# Altium PCB Copy of PCB1.PcbDoc (part 2 of 5)
Units mm, origin at the board's own origin, x right, y up, seen from the top; angles counter-clockwise.
Board outline 150 x 50 mm, 6 copper layers (Top Layer, Layer 1, Top Middle Layer, Bottom Middle Layer, Layer 2, Bottom Layer), stack 0.885 mm thick; 361 components, 293 nets, 1358 pads, 565 vias.
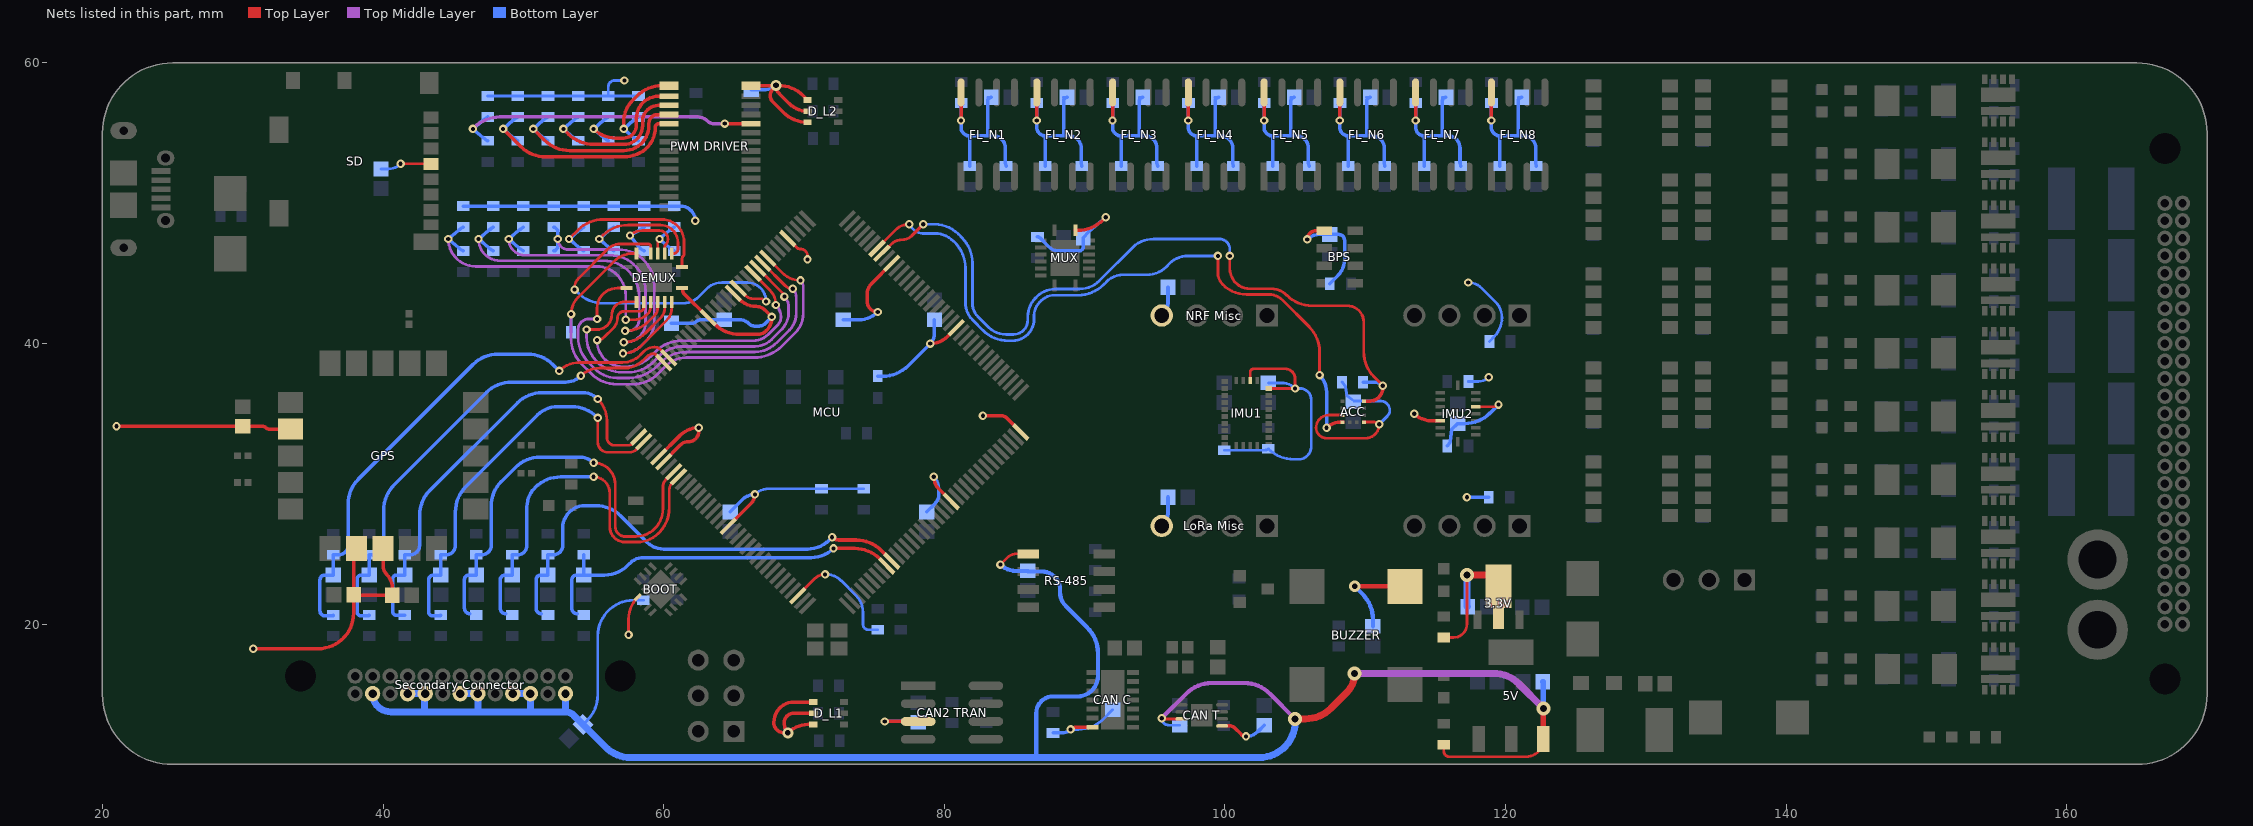
[diagram p6: the nets of this part, all layers, seen from the top]

## Footprints (in the part's own frame and the unit in brackets; to place one, negate y for a bottom-side part, rotate by r counter-clockwise, add the part's x,y. Pads: shape width x height; smd on the part's side, far side on the other; paste and mask are expansions set on the pad) (continued)
"LQFP144 0.5mm Pitch" [mm]
  rect 1.5x0.3 smd: 1(0,0) 2(0,-0.5) 3(0,-1) 4(0,-1.5) 5(0,-2) 6(0,-2.5) 7(0,-3) 8(0,-3.5) 9(0,-4) 10(0,-4.5) 11(0,-5) 12(0,-5.5) 13(0,-6) 14(0,-6.5) 15(0,-7) 16(0,-7.5) 17(0,-8) 18(0,-8.5) 19(0,-9) 20(0,-9.5) 21(0,-10) 22(0,-10.5) 23(0,-11) 24(0,-11.5) 25(0,-12) 26(0,-12.5) 27(0,-13) 28(0,-13.5) 29(0,-14) 30(0,-14.5) 31(0,-15) 32(0,-15.5) 33(0,-16) 34(0,-16.5) 35(0,-17) 36(0,-17.5) 73(21.5,-17.5) 74(21.5,-17) 75(21.5,-16.5) 76(21.5,-16) 77(21.5,-15.5) 78(21.5,-15) 79(21.5,-14.5) 80(21.5,-14) 81(21.5,-13.5) 82(21.5,-13) 83(21.5,-12.5) 84(21.5,-12) 85(21.5,-11.5) 86(21.5,-11) 87(21.5,-10.5) 88(21.5,-10) 89(21.5,-9.5) 90(21.5,-9) 91(21.5,-8.5) 92(21.5,-8) 93(21.5,-7.5) 94(21.5,-7) 95(21.5,-6.5) 96(21.5,-6) 97(21.5,-5.5) 98(21.5,-5) 99(21.5,-4.5) 100(21.5,-4) 101(21.5,-3.5) 102(21.5,-3) 103(21.5,-2.5) 104(21.5,-2) 105(21.5,-1.5) 106(21.5,-1) 107(21.5,-0.5) 108(21.5,0)
  rect 0.3x1.5 smd: 37(2,-19.5) 38(2.5,-19.5) 39(3,-19.5) 40(3.5,-19.5) 41(4,-19.5) 42(4.5,-19.5) 43(5,-19.5) 44(5.5,-19.5) 45(6,-19.5) 46(6.5,-19.5) 47(7,-19.5) 48(7.5,-19.5) 49(8,-19.5) 50(8.5,-19.5) 51(9,-19.5) 52(9.5,-19.5) 53(10,-19.5) 54(10.5,-19.5) 55(11,-19.5) 56(11.5,-19.5) 57(12,-19.5) 58(12.5,-19.5) 59(13,-19.5) 60(13.5,-19.5) 61(14,-19.5) 62(14.5,-19.5) 63(15,-19.5) 64(15.5,-19.5) 65(16,-19.5) 66(16.5,-19.5) 67(17,-19.5) 68(17.5,-19.5) 69(18,-19.5) 70(18.5,-19.5) 71(19,-19.5) 72(19.5,-19.5) 109(19.5,2) 110(19,2) 111(18.5,2) 112(18,2) 113(17.5,2) 114(17,2) 115(16.5,2) 116(16,2) 117(15.5,2) 118(15,2) 119(14.5,2) 120(14,2) 121(13.5,2) 122(13,2) 123(12.5,2) 124(12,2) 125(11.5,2) 126(11,2) 127(10.5,2) 128(10,2) 129(9.5,2) 130(9,2) 131(8.5,2) 132(8,2) 133(7.5,2) 134(7,2) 135(6.5,2) 136(6,2) 137(5.5,2) 138(5,2) 139(4.5,2) 140(4,2) 141(3.5,2) 142(3,2) 143(2.5,2) 144(2,2)
  silkscreen extent 1.29,-18.21 20.21,0.72, body extent -0.25,-19.74 21.75,2.26, height 1.59
MOLX-47589-0001_V [mm] "SMD, 5-Leads, Body 7.5x5.6mm, Pitch 0.65mm"
  rect 0.4x1.35 smd: 1(-1.3,1.175) 2(-0.65,1.175) 3(0,1.175) 4(0.65,1.175) 5(1.3,1.175)
  oval 1.05x1.25 hole 0.65 slot 0.85 at 90 deg: 6(-2.225,1.5) 7(2.225,1.5)
  oval 1.2x1.9 hole 0.6 slot 1.3 at 90 deg: 8(-4.175,-1.5) 11(4.175,-1.5)
  rect 1.8x1.9 smd: 9(-1.15,-1.5) 10(1.15,-1.5)
  Top Layer region: -2.6,-0.55 -4.175,-0.55 -4.175,-2.45 -2.6,-2.45
  Top Layer region: 2.6,-2.45 4.175,-2.45 4.175,-0.55 2.6,-0.55
  silkscreen extent -3.75,-4.25 3.75,2.53, body extent -4.32,-4.25 4.32,1.64, height 2.74
MOLX-104031-0811_V [mm] "Micro SD, 8-Leads, Body 11.95x11.4mm, Pitch 1.1mm"
  rect 0.85x1.1 smd: 1(3.113,-5.413) 2(2.012,-5.413) 3(0.913,-5.413) 4(-0.188,-5.413) 5(-1.287,-5.413) 6(-2.388,-5.413) 7(-3.487,-5.413)
  rect 0.75x1.1 smd: 8(-4.538,-5.413)
  rect 1.2x1 smd: 9(5.748,0.737) 10(5.748,4.438)
  rect 1.55x1.35 smd: 11(5.572,-5.287)
  rect 1.17x1.8 smd: 12(-5.748,-5.062)
  rect 1.9x1.35 smd: 13(-3.722,5.413) 14(2.247,5.413)
  silkscreen extent -5.97,-6.64 5.98,5.74, body extent -5.97,-5.66 5.98,5.74, height 1.45
MOSFET_DT-T1-GE3_VIS [mil]
  rect 27x16 smd: 1(-59.5,38.39) 2(-59.5,12.8) 3(-59.5,-12.8) 4(-59.5,-38.39) 5(59.5,-38.39) 6(59.5,-12.8) 7(59.5,12.8) 8(59.5,38.39)
  rect 41x96 smd paste-47.5: 9(15.5,0)
  rect 22x96 smd: 10(-29.78,0)
  silkscreen extent -66,-66 66,66, body extent -60,-60 60,60, height 30
QFN50P300X300X65-17N-D [mm]
  rect 0.65x0.25 smd: 1(-1.55,0.75) 2(-1.55,0.25) 3(-1.55,-0.25) 4(-1.55,-0.75) 9(1.55,-0.75) 10(1.55,-0.25) 11(1.55,0.25) 12(1.55,0.75)
  rect 0.25x0.65 smd: 5(-0.75,-1.55) 6(-0.25,-1.55) 7(0.25,-1.55) 8(0.75,-1.55) 13(0.75,1.55) 14(0.25,1.55) 15(-0.25,1.55) 16(-0.75,1.55)
  rect 2x2 smd: 17(0,0)
  silkscreen extent -1.72,1.18 -1.47,1.43, body extent -1.55,-1.55 1.55,1.55, height 0.65
SMD-0603 [mm] "Chip Inductor, 2-Leads, Body 1.6x0.8mm"
  rect 0.85x0.7 smd: 1(-0.775,0) 2(0.775,0)
  body extent -0.8,-0.4 0.8,0.4, height 0.79
SMD-0805 [mm] "Chip Inductor, 2-Leads, Body 2.0x1.2mm"
  rect 1.15x1 smd: 1(-1.175,0) 2(1.175,0)
  body extent -1,-0.6 1,0.6, height 0.89
SN74CBT3257CRGYR [mm]
  rect 0.85x0.28 smd: 1(-1.975,-0.75) 8(1.975,-0.75) 9(1.975,0.75) 16(-1.975,0.75)
  rect 0.28x0.85 smd: 2(-1.25,-1.725) 3(-0.75,-1.725) 4(-0.25,-1.725) 5(0.25,-1.725) 6(0.75,-1.725) 7(1.25,-1.725) 10(1.25,1.725) 11(0.75,1.725) 12(0.25,1.725) 13(-0.25,1.725) 14(-0.75,1.725) 15(-1.25,1.725)
  rect 2.55x2.05 smd: 17(0,0)
  silkscreen extent -2.9,-1.83 2.08,1.83, body extent -2,-1.75 2,1.75, height 1
SOIC127P600X175-8N [mm]
  rect 1.525x0.65 smd: 1(-2.712,1.905) 2(-2.712,0.635) 3(-2.712,-0.635) 4(-2.712,-1.905) 5(2.712,-1.905) 6(2.712,-0.635) 7(2.712,0.635) 8(2.712,1.905)
  silkscreen extent -3.47,-2.45 1.6,2.58, body extent -3,-2.45 3,2.45, height 1.75
"SOIC-8 - duplicate" [mm]
  rect 2x0.5 smd: 1(0,0)
  oval 2x0.5 smd: 2(0,-1.27) 3(0,-2.54) 4(0,-3.81) 5(6,-3.81) 6(6,-2.54) 7(6,-1.27) 8(6,0)
  silkscreen extent 1.27,-4.44 4.7,0.64, body extent 0.05,-4.36 6.05,0.55, height 1.7
SON65P300X450X90-15N-D [mm]
  rect 0.85x0.35 smd: 1(-1.45,1.95) 2(-1.45,1.3) 3(-1.45,0.65) 4(-1.45,0) 5(-1.45,-0.65) 6(-1.45,-1.3) 7(-1.45,-1.95) 8(1.45,-1.95) 9(1.45,-1.3) 10(1.45,-0.65) 11(1.45,0) 12(1.45,0.65) 13(1.45,1.3) 14(1.45,1.95)
  rect 1.65x4.25 smd: 15(0,0)
  silkscreen extent -2,2.5 -1.75,2.75, body extent -1.55,-2.25 1.55,2.25, height 0.9
SOT230P700X180-4N [mm]
  rect 1.85x0.9 smd: 1(-3.1,2.3) 2(-3.1,0) 3(-3.1,-2.3)
  rect 1.85x3.2 smd: 4(3.1,0)
  silkscreen extent -4.03,-3.25 1.75,3.25, body extent -3.5,-3.25 3.5,3.25, height 1.8
SOT361-1_V [mm] "SOP, 28-Leads, Body 9.7x4.4mm, Pitch 0.65mm, NXP Recommended"
  rect 1.35x0.6 smd: 1(-2.925,4.325) 14(-2.925,-4.325) 15(2.925,-4.325) 28(2.925,4.325)
  rect 1.35x0.4 smd: 2(-2.925,3.575) 3(-2.925,2.925) 4(-2.925,2.275) 5(-2.925,1.625) 6(-2.925,0.975) 7(-2.925,0.325) 8(-2.925,-0.325) 9(-2.925,-0.975) 10(-2.925,-1.625) 11(-2.925,-2.275) 12(-2.925,-2.925) 13(-2.925,-3.575) 16(2.925,-3.575) 17(2.925,-2.925) 18(2.925,-2.275) 19(2.925,-1.625) 20(2.925,-0.975) 21(2.925,-0.325) 22(2.925,0.325) 23(2.925,0.975) 24(2.925,1.625) 25(2.925,2.275) 26(2.925,2.925) 27(2.925,3.575)
  silkscreen extent -3.05,-4.9 1.96,5.3, body extent -2.2,-4.85 2.2,4.85, height 1.1
TECO-MS560702BA03-50_V [mm] "SMD, 8-Leads, Body 3x5mm, Pitch 1.25mm"
  rect 1.1x0.6 smd: 1(-1.1,1.875) 2(-1.1,0.625) 3(-1.1,-0.625) 4(-1.1,-1.875) 5(1.1,-1.875) 6(1.1,-0.625) 7(1.1,0.625) 8(1.1,1.875)
  silkscreen extent -2.32,-2.5 0.32,2.5, body extent -1.5,-2.5 1.5,2.5, height 1
VISH-SOIC-8_C_V [mm] "SOIC, 8-Leads, Body 6x4mm, Pitch 1.27mm"
  rect 1.14x0.91 smd: 1(-2.73,1.905) 2(-2.73,0.635) 3(-2.73,-0.635) 4(-2.73,-1.905) 5(2.73,-1.905) 6(2.73,-0.635) 7(2.73,0.635) 8(2.73,1.905)
  silkscreen extent -2.85,-3 1.75,3.03, body extent -3,-3 3,3, height 3.46
VR10S09 [mm]
  rect 1.5x1.5 hole 1: 1(0,0)
  round 1.5 hole 1: 2(2.54,0) 3(5.08,0)
  silkscreen extent -3.26,-2.8 8.34,5.7, body extent -3.26,-2.3 8.34,5.7, height 11
WE-150060VS75000_V [mm] "SMD, 2-Leads, Body 1.6x0.8mm"
  rect 0.8x0.8 smd: 1(-0.8,0) 2(0.8,0)
  silkscreen extent -0.25,-0.5 0.25,0.5, body extent -0.8,-0.4 0.8,0.4, height 0.7
XT30 [mm]
  round 4.3 hole 2.7: 1(0,0) 2(5,0)
  body extent -2.62,-2.63 7.62,2.63, height 10.75

## Part data
3.3V: "Integrated Circuit", Manufacturer_Name="Diodes Inc.", Mouser2 Part Number=621-AZ1117CR-3.3TRG1, Datasheet Link=https://componentsearchengine.com//AZ1117CR-3.3TRG1.pdf, Height=2mm, Manufacturer_Part_Number=AZ1117CR-3.3TRG1, Mouser2 Price/Stock=https://www.mouser.com/Search/Refine.aspx?Keyword=621-AZ1117CR-3.3TRG1
5V: "Integrated Circuit", Manufacturer_Name="Diodes Inc.", Datasheet Link=https://www.arrow.com/en/products/az1117ch2-5.0trg1/diodes-incorporated, Height=1.8mm, Manufacturer_Part_Number=AZ1117CH2-5.0TRG1
ACC: library part CMP-223024-000001-1, "105C OPERATING HIGHER BANDWIDTH,"
BOOT: "Integrated Circuit", Manufacturer_Name=NXP, Mouser Part Number=841-MKL02Z32VFG4, Arrow Part Number=MKL02Z32VFG4, Arrow Price/Stock=https://www.arrow.com/en/products/mkl02z32vfg4/nxp-semiconductors, Datasheet Link=http://www.nxp.com/docs/en/data-sheet/KL02P32M48SF0.pdf, Height=0.65mm, Manufacturer_Part_Number=MKL02Z32VFG4, Mouser Price/Stock=https://www.mouser.co.uk/ProductDetail/NXP-Semiconductors/MKL02Z32VFG4?qs=RECgZY%252BK1xLpPFD7GzHxWg%3D%3D
"Boot J": "Header, 3-Pin, Dual row", LatestRevisionDate=17-Jul-2002, LatestRevisionNote="Re-released for DXP Platform.", Publisher="Altium Limited"
BPS: library part CMP-2000-07512-1, "Barometric Pressure Sensor, with Stainless Steel Cap , 1.8 to 3.6 V, -40 to 85 degC, 8-Pin SMD, RoHS, Tape and Reel", Manufacturer="TE Connectivity", Package Description="8-Pin Surface Mount Device, Body 3 x 5 mm, Pitch 1.25 mm", Datasheet URL=http://www.te.com/commerce/DocumentDelivery/DDEController?Action=showdoc&DocId=Data+Sheet%7FMS5607-02BA03%7FB2%7Fpdf%7FEnglish%7FENG_DS_MS5607-02BA03_B2.pdf%7FMS560702BA03-50, Datasheet Version=06/2017, Lead Free=LeadFree, Manufacturer URL=http://www.te.com/, Mounting Technology=SurfaceMount, Package Reference=MS560702BA03-50, RoHSCompliant=false
BUCK: "Power Supply", Manufacturer_Name="XP POWER", Datasheet Link=https://www.xppower.com/portals/0/pdfs/SF_VR10.pdf, Height=10.9mm, Manufacturer_Part_Number=VR10S09
BUZZER: library part CMP-247804-000002-1, "AUDIO MAGNETIC XDCR 2-4V SMD", Current=100mA, Frequency=2700Hz, Manufacturer="Soberton Inc.", Max Supply Voltage=4.5V, Min Supply Voltage=2.5V, Operating Supply Voltage=3.6V, Temperature="-30°C to +85°C", Temperature Range High=+85°C, Temperature Range Low=-30°C, Automotive=No, Category=Speak, ComponentLink2Description=Datasheet, ComponentLink2URL=https://www.soberton.com/wp-content/uploads/2019/02/ST-025BH-19-Feb-2019.pdf, Device Class L1=Electromechanical, Device Class L2="Audio Products", Device Class L3=Buzzers, Digikey Description="AUDIO MAGNETIC XDCR 2-4V SMD", Height=3mm, Lead Free=Yes, Manufacturer Part Number=ST-025BH, Octopart=https://octopart.com/st-025bh-soberton-22171825, Package=ST-025BH, RoHS=TRUE
C1 C2 C3 C4 C5 C102 C103 C104 C105 C106 C201 C202 C203 C204 C205 C206 C207 C208 C209 C210 C301 C302 C401 C402 C403 C404 C405 C406 C407 C501 C502 C503 C601 C602 C603 C604 C_F1 C_F2 C_F3 C_F4 C_F5 C_F6 C_F7 C_F8 C_H1 C_H2 C_H3 C_H4 C_H5 C_H6 C_H7 C_H8 C_H9 C_H10 C_N1 C_N2 C_N3 C_N4 C_N5 C_N6 C_N7 C_N8: library part CMP-2006-01550-1, Manufacturer=Vitramon, Part Number=VJ0603Y104KXQCW1BC
C101: "Capacitor Polarised", Manufacturer_Name=Vishay, Datasheet Link=http://www.vishay.com/doc?40080, Height=3.1mm, Manufacturer_Part_Number=TR3D226M035C0400
"CAN2 TRAN": library part CMP-0315-00015-3, "IC TRANSCEIVER HALF 1/1 8SOIC", Case/Package=D, Max Operating Temperature=85°C, Max Supply Current=17mA, Max Supply Voltage=3.6V, Min Operating Temperature=-40°C, Min Supply Voltage=3V, Operating Supply Voltage=3.3V, Package Quantity=1, Contact Plating=Gold, Data Rate=1Mbps, Lead Free="Lead Free", Nominal Supply Current=17mA, Number of Drivers=1, Number of I/Os=2, Number of Pins=8, Number of Receive Buffers=1, Number of Receivers=1, Number of Transceivers=1, Number of Transmit Buffers=1, Packaging="Tape and Reel", Radiation Hardening=No, REACH SVHC="No SVHC", Termination=SMD/SMT, Weight=0.002561oz
"CAN C": "Integrated Circuit", Arrow Part Number=MCP2517FD-H/JHA, Manufacturer_Name=Microchip, Mouser Part Number=579-MCP2517FD-H/JHA, Arrow Price/Stock=https://www.arrow.com/en/products/mcp2517fd-hjha/microchip-technology?region=nac, Datasheet Link=http://ww1.microchip.com/downloads/en/DeviceDoc/MCP2517FD-External-CAN-FD-Controller-with-SPI-Interface-20005688B.pdf, Height=0.9mm, Manufacturer_Part_Number=MCP2517FD-H/JHA, Mouser Price/Stock=https://www.mouser.co.uk/ProductDetail/Microchip-Technology/MCP2517FD-H-JHA?qs=HXFqYaX1Q2zUpFu1TRdQJQ%3D%3D
"CAN T": library part CMP-06279-000021-1, "IC TRANSCEIVER 1/1 8TDFN", Max Operating Temperature=125°C, Min Operating Temperature=-40°C, Data Rate=8Mbps, Mount="Surface Mount", Packaging="Tape and Reel", Receiver Hysteresis=200mV, RoHS Compliant=Yes
D1 D2: library part CMP-12791-000030-1, "DIODE GEN PURP 1KV 3A SMB", Capacitance=40pF, Forward Current=3A, Manufacturer="Diodes Inc.", Max Junction Temp=+150°C, Max Repetitive Reverse Voltage=1000V, Max Surge Forward Current=100A, Package=SMB, Peak Reverse Current=10uA, Temperature="-65°C to +150°C", Temperature Range Low=-65°C, Automotive=No, Category=Diode, ComponentLink2Description=Datasheet, ComponentLink2URL=https://www.diodes.com/assets/Datasheets/ds16005.pdf, Device Class L1="Discrete Semiconductors", Device Class L2=Diodes, Device Class L3="Rectifier Diodes", Digikey Description="DIODE GEN PURP 1KV 3A SMB", Footprint Url=https://www.diodes.com/assets/Package-Files/SMB.pdf, Height=2.5mm, Lead Free=Yes, Manufacturer Part Number=S3MB-13-F, Mouser Description="Rectifiers 1000V 3A", Octopart=https://octopart.com/s3mb-13-f-diodes+inc.-333387, Reverse Voltage=1000V, RoHS=TRUE, Standoff Height=0.05mm, Temperature Range High=+150°C
D1_H1 D1_H2 D1_H3 D1_H4 D1_H5 D1_H6 D1_H7 D1_H8 D1_H9 D1_H10: library part CMP-56207-000009-1, "DIODE GEN PURP 1.6KV 1A DO214AC", Average Rectified Current=1A, Max Reverse Voltage (DC)=1.6kV, Mount="Surface Mount", Packaging="Cut Tape", Reverse Recovery Time=2.5us, RoHS Compliant=Yes
D_L1 D_L2: library part CMP-13977-000015-1, "LED RGB DIFFUSED 6PLCC SMD", Case/Package=SMD/SMT, Color=Blue, Forward Voltage=3V, Lens Color=White, Test Current=10mA, Dominant Wavelength=470nm, Height=2.6mm, Length=2.8mm, Lens Transparency=Diffused, Luminous Intensity=240mcd, Mount="Surface Mount", Packaging="Tape and Reel", Width=2.8mm
DEMUX MUX RS-485: "Integrated Circuit", Manufacturer_Name="Texas Instruments"
  DEMUX MUX: Datasheet Link=http://www.ti.com/lit/gpn/sn74cb3q3251, Manufacturer_Part_Number=SN74CB3Q3251RGYR
  RS-485: Datasheet Link=http://www.ti.com/lit/gpn/sn65lbc179, Height=1.75mm, Manufacturer_Part_Number=SN65LBC179D
DS1 DS2 DS3 DS4 DS_H1 DS_H2 DS_H3 DS_H4 DS_H5 DS_H6 DS_H7 DS_H8 DS_H9 DS_H10: library part CMP-1426-00006-4, "WL-SMCW SMD Chip LED Top View Monocolor Waterclear, 30 mA, 2 V, -40 to 85 degC, 2-Pin SMD, RoHS, Tape and Reel", ComponentLink1Description="Manufacturer URL", ComponentLink1URL=https://www.we-online.com/, ComponentLink2Description=Datasheet, ComponentLink2URL=http://katalog.we-online.de/led/datasheet/150060VS75000.pdf, DatasheetVersion="Rev. 2.7", Mounting Technology="Surface Mount", PackageDescription="2-Pin Surface Mount Device, Body 1.6 x 0.8 mm", PartNumber=150060VS75000, RoHSCompliant=True
F1: library part CMP-08605-000061-1, "FUSE BRD MNT 1A 125VAC/VDC 2SMD", Fuse Current=1A, Fuse Interrupt Ac Current=50A, Fuse Interrupt Dc Current=300A, Manufacturer="Littelfuse Inc", Max Fuse Ac Voltage=125V, Package=0451, Resistance=0.078Ω, Temperature="-55°C to +125°C", Temperature Range High=+125°C, Temperature Range Low=-55°C, Automotive=No, Category=Fuse, ComponentLink2Description=Datasheet, ComponentLink2URL=https://www.littelfuse.com/~/media/electronics/datasheets/fuses/littelfuse_fuse_451_453_datasheet.pdf.pdf, Device Class L1="Circuit Protection", Device Class L2=Fuses, Device Class L3=unset, Digikey Description="FUSE BRD MNT 1A 125VAC/VDC 2SMD", Fuse Blow Speed=Fast, Fuse I2T=0.6029A2Sec, Height=2.94mm, Lead Free=Yes, Manufacturer Part Number=0451001.MRL, Max Fuse Dc Voltage=125V, Mouser Description="Surface Mount Fuses 125V 1A", Octopart=https://octopart.com/0451001.mrl-littelfuse-566368, RoHS=TRUE, Voltage Rating=125V
F_PTC1 F_PTC2 F_PTC3 F_PTC4 F_PTC5: "Fuse", Manufacturer_Name=LITTELFUSE, Manufacturer_Part_Number=2016L150/33DR, Mouser2 Part Number=576-2016L150/33DR, Datasheet Link=https://componentsearchengine.com//2016L150_33DR.pdf, Height=1.6mm, Mouser2 Price/Stock=https://www.mouser.com/Search/Refine.aspx?Keyword=576-2016L150%2F33DR
FB1: library part CMP-0220-00030-1, "SMD EMI Suppression Ferrite Bead WE-CBF, Z = 120 Ohm", ComponentLink1Description="Manufacturer Link", ComponentLink1URL=http://www.we-online.com, ComponentLink2Description=Datasheet, ComponentLink2URL=http://www.we-online.de/katalog/media/pdf/742792023.pdf, DatasheetVersion=Dec-2005, Impedance="120 Ohm", PackageDescription="Chip Inductor, 2-Leads, Body 2.0 x 1.2 mm", PackageReference=SMD-0805, PackageVersion=2005
FB2 FB3: library part CMP-0220-00181-1, "SMD EMI Suppression Ferrite Bead WE-CBF, Z = 600 Ohm", ComponentLink1Description="Manufacturer Link", ComponentLink1URL=http://www.we-online.com, ComponentLink2Description=Datasheet, ComponentLink2URL=http://www.we-online.de/katalog/media/pdf/742792651.pdf, DatasheetVersion=Dec-2005, Impedance="600 Ohm", PackageDescription="Chip Inductor, 2-Leads, Body 1.6 x 0.8 mm", PackageReference=SMD-0603, PackageVersion=2009
FB5 FB6 FB7 FB8 FB9: library part CMP-0686-00279-4, "Chip Ferrite Bead, 0402, 1000Ω @ 100MHz, 1.25Ω, 25%, 250mA", Case Code (Imperial)=0402, Case Code (Metric)=1005, Current Rating=250mA, DC Resistance (DCR)=1.25R, Frequency=100MHz, Manufacturer Series=BLM15H, Max Operating Temperature=125°C, Min Operating Temperature=-55°C, Package Quantity=1, Tolerance=25%, Case/Package=0402, Contact Plating=Tin, Core Material=Ferrite, DC Current=250mA, DC Resistance-Max=1.25R, Depth=0.5mm, Height=0.5mm, Impedance=1kR, Lead Free="Lead Free", Length=1mm, Material=Steel, Max Current Rating=250mA, Max DC Current=250mA, Military Standard=Not, Number of Circuits=1, Number of Functions=1, Number of Lines=1, Number of Pins=2, Packaging="Tape and Reel", Radiation Hardening=No, REACH SVHC="No SVHC", Resistance=1.25R, RoHS Compliant=Yes, Series=BLM15H, Shielding=Unshielded, Termination=SMD/SMT, Test Frequency=100MHz, Width=0.5mm
FL_N1 FL_N2 FL_N3 FL_N4 FL_N5 FL_N6 FL_N7 FL_N8: library part Component_1
GPS: library part CMP-207130-000004-3, "RF RX GALILEO 1.575GHZ/1.602GHZ", Manufacturer=uBlox, Max Frequency=1602MHz, Max Supply Voltage=3.6V, Min Supply Voltage=2.7V, Nominal Supply Current=9.5-32mA, Package=0, Temperature="-40°C to +85°C", Temperature Range High=+85°C, Temperature Range Low=-40°C, Automotive=Yes, Automotive Grade="Grade 3", Category=IC, ComponentLink2Description=Datasheet, ComponentLink2URL=https://www.u-blox.com/sites/default/files/SAM-M8Q_DataSheet_%28UBX-16012619%29.pdf, Data Rate=400kbits/s, Device Class L1="Integrated Circuits (ICs)", Device Class L2="RF Semiconductors and Devices", Device Class L3=Transceivers, Digikey Description="RF RX GALILEO 1.575GHZ/1.602GHZ", Footprint Url=https://www.u-blox.com/sites/default/files/SAM-M8Q_HardwareIntegrationManual_%28UBX-16018358%29.pdf, Height=6.8mm, Interface=I2C,UART,Other, Lead Free=Yes, Manufacturer Part Number=SAM-M8Q-0-10, Octopart=https://octopart.com/sam-m8q-0-10-u-blox-88247750, RoHS=TRUE, Sensitivity=-165dBm
IMU1: library part CMP-2000-05075-4, "IMU ACCEL/GYRO/MAG I2C 28LGA", Case/Package=LGA, Max Operating Temperature=85°C, Min Operating Temperature=-40°C, Lead Free="Lead Free", Mount="Surface Mount", Output Type=I2C, Packaging="Tape and Reel", Sensor Type=Accelerometer
IMU2: library part CMP-191067-000009-1, "IMU ACCEL/GYRO I2C/SPI 16LGA", Case/Package=LGA, Max Operating Temperature=85°C, Min Operating Temperature=-40°C, Package Quantity=5000, Axis="X, Y, Z", Bandwidth=8Hz, Interface=I2C, Lead Free="Lead Free", Mount="Surface Mount", Number of Pins=16, Output Type=SPI, Packaging="Tape and Reel", Sensitivity=128LSB/g, Sensor Type=Accelerometer
"LoRa Misc" "LoRa SPI" "NRF Misc" "NRF SPI": "XH Series 4 Position 2.5 mm Pitch Through Hole Crimp Top Entry Shrouded Header", Package=None, Availability=Unavailable, MF="{'manufacturer': u'JST Sales America Inc.'}", MP=B4B-XH-A(LF)(SN), Price=None
MCU: library part COMPONENT_1
OP_O1 OP_O2 OP_O3 OP_O4 OP_O5 OP_O6 OP_O7 OP_O8 OP_O9 OP_O10: library part CMP-2000-06453-1, "Optocoupler, Phototransistor Output, Dual Channel, 4000 VRMS, -55 to 100 degC, 8-Pin SOIC, RoHS, Tape and Reel", Current - DC Forward (If) (Max)=30mA, Current - Output / Channel=-, Current Transfer Ratio (Max)=200%@10mA, Current Transfer Ratio (Min)=100%@10mA, Manufacturer=Vishay, Operating Temperature=-55°C~100°C, Package / Case="8-SOIC(0.154\",3.90mmWidth)", Package Description="8-Pin Small Outline Integrated Circuit, Body 5.84 x 3.91 mm, Pitch 1.27 mm", Package Reference=SOIC-8, Standard Package=1, Supplier Device Package=8-SOIC, Voltage - Forward (Vf) (Typ)=1.2V, Voltage - Isolation=4000Vrms, Voltage - Output (Max)=70V, Catalog Drawings=OptocouplerCircuit, Category=Isolators, Datasheet URL=http://www.vishay.com/docs/83647/ild205t.pdf, Datasheet Version="Rev. 2.1, 10/2015", EDA / CAD Models=DownloadfromAcceleratedDesigns, Family=Optoisolators-Transistor,PhotovoltaicOutput, Input Type=DC, Manufacturer URL=http://www.vishay.com/, Mounting Technology=SurfaceMount, Mounting Type=SurfaceMount, Number Of Channels=2, Online Catalog=ILD205T,206T,207T,211T,213T,217TSeries, Other Names=751-1310-1ILD207TGICTILD207TGICT-ND, Output Type=Transistor, Packaging=CutTape(CT), Rise / Fall Time (Typ)=3µs,4.7µs, Series=-, Turn On / Turn Off Time (Typ)=6µs,5µs, Vce Saturation (Max)=400mV
"Primary Connector": "Connector", Manufacturer_Name=Harwin, Mouser Part Number=855-G125MH1505M4PM4P, Datasheet Link=https://cdn.harwin.com/pdfs/G125-MH1XX05M4P.pdf, Height=5.3mm, Manufacturer_Part_Number=G125-MH15005M4P, Mouser Price/Stock=https://www.mouser.co.uk/ProductDetail/Harwin/G125-MH15005M4P?qs=vHuUswq2%252Bsyt0BUylu0n%252Bg%3D%3D
"PWM DRIVER": library part CMP-1595-00004-2, "16-Channel, 12-Bit PWM Fm+ I2C-Bus LED Controller, 2.3 to 5.5 V, -40 to 85 degC, 28-Pin TSSOP (SOT361-1), RoHS, Tape and Reel", Frequency="25000000 Hz", PartNumber=PCA9685, Supply Current Max="10 mA", Supply Voltage Max="5.5 V", Supply Voltage Min="2.3 V", Temperature Max="85 degC", Temperature Min="-40 degC", Code_JEDEC=MO-153, ComponentLink1Description="Manufacturer URL", ComponentLink1URL=http://www.nxp.com/, ComponentLink2Description=Datasheet, ComponentLink2URL=http://www.nxp.com/documents/data_sheet/PCA9685.pdf, ComponentLink3Description="Package Specification", ComponentLink3URL=http://www.nxp.com/documents/outline_drawing/sot361-1_po.pdf, DatasheetVersion="Rev. 4", Mounting Technology="Surface Mount", PackageDescription="28-Pin Small Outline Package, Body 9.7 x 4.4 mm, Pitch 0.65 mm", PackageVersion=02/2003, Packing="Tape and Reel", RoHS=TRUE
Q10: library part CMP-12801-000103-1, "MOSFET N-CH 20V 4.2A SOT23", Case/Package=SOT-23-3, Continuous Drain Current (ID)=4.2A, Drain to Source Breakdown Voltage=20V, Drain to Source Resistance=90mR, Gate to Source Voltage (Vgs)=8V, Input Capacitance=594.3pF, Max Operating Temperature=150°C, Max Power Dissipation=800mW, Min Operating Temperature=-55°C, On-State Resistance=90MR, Package Quantity=3000, Threshold Voltage=1V, Drain to Source Voltage (Vdss)=20V, Element Configuration=Single, Fall Time=6.7ns, FET Type="1 N-Channel", Height=1mm, Lead Free="Lead Free", Length=3mm, Mount="Surface Mount", Number Of Channels=1, Number of Elements=1, Number of Pins=3, Packaging="Tape and Reel", Power Dissipation=800mW, Radiation Hardening=No, Rds On Max=90mR, REACH SVHC="No SVHC", Rise Time=9.8ns, Turn-Off Delay Time=28.1ns, Turn-On Delay Time=7.4ns, Weight=0.000282oz, Width=1.4mm
Q_H1 Q_H2 Q_H3 Q_H4 Q_H5 Q_H6 Q_H7 Q_H8 Q_H9 Q_H10: "No Description Available", Mfr_Name=Vishay, Copyright="Copyright (C) 2022 Ultra Librarian. All rights reserved.", Manufacturer_Part_Number=SIZ340DT-T1-GE3, RefDes=RefDes, Type=DEV
R1 R1_F1 R1_F2 R1_F3 R1_F4 R1_F5 R1_F6 R1_F7 R1_F8 R1_H1 R1_H2 R1_H3 R1_H4 R1_H5 R1_H6 R1_H7 R1_H8 R1_H9 R1_H10 R1_L1 R1_L2 R1_N1 R1_N2 R1_N3 R1_N4 R1_N5 R1_N6 R1_N7 R1_N8 R1_O1 R1_O2 R1_O3 R1_O4 R1_O5 R1_O6 R1_O7 R1_O8 R1_O9 R1_O10 R2 R2_F1 R2_F2 R2_F3 R2_F4 R2_F5 R2_F6 R2_F7 R2_F8 R2_H1 R2_H2 R2_H3 R2_H4 R2_H5 R2_H6 R2_H7 R2_H8 R2_H9 R2_H10 R2_L1 R2_L2 R2_N1 R2_N2 R2_N3 R2_N4 R2_N5 R2_N6 R2_N7 R2_N8 R2_O1 R2_O2 R2_O3 R2_O4 R2_O5 R2_O6 R2_O7 R2_O8 R2_O9 R2_O10 R3_H1 R3_H2 R3_H3 R3_H4 R3_H5 R3_H6 R3_H7 R3_H8 R3_H9 R3_H10 R3_L1 R3_L2 R3_N1 R3_N2 R3_N3 R3_N4 R3_N5 R3_N6 R3_N7 R3_N8 R4_H1 R4_H2 R4_H3 R4_H4 R4_H5 R4_H6 R4_H7 R4_H8 R4_H9 R4_H10 R5_H1 R5_H2 R5_H3 R5_H4 R5_H5 R5_H6 R5_H7 R5_H8 R5_H9 R5_H10 R6_H1 R6_H2 R6_H3 R6_H4 R6_H5 R6_H6 R6_H7 R6_H8 R6_H9 R6_H10 R7_H1 R7_H2 R7_H3 R7_H4 R7_H5 R7_H6 R7_H7 R7_H8 R7_H9 R7_H10 R101 R102 R103 R104 R105 R106 R107 R201 R301 R302 R303 R304 R305 R306 R307 R308 R401 R402 R403 R405 R406 R407 R408 R501 R502 R503 R601 R602 R603 R604 RH_J1 RH_J2 RH_J3 RH_J4 RH_J5 RH_J6 RH_J7 RH_J8 RH_J9 RH_J10 RH_J11 RH_J12 RH_J13 RH_J14 RL_J1 RL_J2 RL_J3 RL_J4 RL_J5 RL_J6 RL_J7 RL_J8 RL_J9 RL_J10 RL_J11 RL_J12 RL_J13 RL_J14: library part Res3, "Resistor", LatestRevisionDate=29-May-2009, LatestRevisionNote="IPC-7351 Footprint Added.", PackageDescription="Chip Resistor", PackageReference=J1-0603, Published=8-Jun-2000, Publisher="Altium Limited"
SD: library part CMP-2000-05825-1, "Micro SD Card, RA, -25 to 85 degC, 8-Pin SMD, RoHS, Tape and Reel", Current Rating=500mA, Manufacturer=Molex, Package Description="8-Pin Surface Mount Device, Body 11.95 x 11.4 mm, Pitch 1.1 mm", Voltage Rating=10VAC/DC, Brand=Molex, Card Type=microSD, Contact Material=PhosphorBronze, Contact Plating=Gold, Datasheet URL=http://www.molex.com/pdm_docs/sd/1040310811_sd.pdf, Datasheet Version="Rev. E, 04/2006", Height=1.42mm, Housing Material=LiquidCrystalPolymer(LCP), Insertion - Extraction Style=Push-Pull, Length=11.4mm, Manufacturer URL=http://www.molex.com/, Mating Cycles=10000, Mounting Technology=SurfaceMount, Mounting Type=Standard, Number of Contacts=8, Number Of Rows=1Row, Orientation=RightAngle, Package Reference=104031-0811, Packaging=Reel, Pitch=1.1mm, Product=CardConnectors, Product Category=MemoryCardConnectors, RoHS=True, Series=104031, Termination Style=SMD
"Secondary Connector": "Connector", Manufacturer_Name=Harwin, Mouser Part Number=855-G125MH1265M4PM4P, Datasheet Link=https://cdn.harwin.com/pdfs/G125-MH1XX05M4P.pdf, Height=5.3mm, Manufacturer_Part_Number=G125-MH12605M4P, Mouser Price/Stock=https://www.mouser.co.uk/ProductDetail/Harwin/G125-MH12605M4P?qs=vHuUswq2%252BsyDONvvJZj7dA%3D%3D
USB: library part CMP-2000-05610-1, "Right Angle Female Type AB Micro USB Connector, 30 V, 1.8 A, -30 to 85 degC, RoHS, Tape and Reel", Color=Black, Current Rating=1.8A, Manufacturer=Molex, Operating Temperature Range=-20Cto+85C, Package Description="Micro USB Connector, Pitch 0.65 mm, 5 Positions, Body 7.5 x 5.6 mm", Voltage Rating=30VAC, Brand=Molex, Connector Type=MicroUSBTypeABreceptacle, Contact Material=CopperAlloy, Contact Plating=Gold, Datasheet URL=http://www.molex.com/webdocs/datasheets/pdf/en-us/0475890001_IO_CONNECTORS.pdf, Datasheet Version=12/2016, Gender=Female, Manufacturer URL=http://www.molex.com/, Mounting Angle=Right, Mounting Technology=SurfaceMount, Number of Contacts=5Contact, Number of Ports=1Port, Package Reference=47589-0001, Package URL=http://www.molex.com/pdm_docs/sd/475890001_sd.pdf, Packaging=Reel, Product=MicroUSBTypeABConnectors, Product Category=USBConnectors, RoHS=True, Series=47589, Standard=USB, Termination Style=SMD/SMT
Y: library part CMP-20727-000002-1, "CRYSTAL 40.0000MHZ 8PF SMD", Frequency=40MHz, Load Capacitance=8pF, Manufacturer="Kyocera International Inc. Electronic Components", Manufacturer Part Number=CX2016DB40000D0FLJCC, Package=CX2016DB, Temperature="-30°C to +85°C", Temperature Range High=+85°C, Temperature Range Low=-30°C, Tolerance=15ppm, Automotive=No, Category=Crys, ComponentLink2Description=Datasheet, ComponentLink2URL=https://global.kyocera.com/prdct/electro/product/pdf/cx2016db_e.pdf, Device Class L1="Passive Components", Device Class L2="Crystals / Oscillators", Device Class L3=Crystals, Digikey Description="CRYSTAL 40.0000MHZ 8PF SMD", Esr=50Ω, Height=0.45mm, Lead Free=Yes, Mouser Description="Crystal 40MHz 8pF 4-Pin SMD T/R", Octopart=https://octopart.com/cx2016db40000d0fljcc-avx+%2F+kyocera-71139660, RoHS=TRUE, Series=CX2016DB, Stability=15ppm
Y1: library part CMP-2000-05279-2, "CRYSTAL 16.0000MHZ 8PF SMD", Case/Package=SMD/SMT, ESR (Equivalent Series Resistance)=80R, Frequency=16MHz, Frequency Stability=25ppm, Frequency Tolerance=15ppm, Load Capacitance=8pF, Max Operating Temperature=85°C, Min Operating Temperature=-40°C, Package Quantity=3000, Height=0.022inch, Length=0.098inch, Mount="Surface Mount", Number of Pins=4, Packaging="Tape and Reel", Series Resistance=80R, Width=0.079inch
Y2: library part CMP-40224-000024-1, "CRYSTAL 32.7680KHZ 12.5PF SMD", Case/Package=SMD/SMT, ESR (Equivalent Series Resistance)=90kR, Frequency=32.768kHz, Frequency Stability=-0.03ppm, Frequency Tolerance=20ppm, Load Capacitance=12.5pF, Max Operating Temperature=85°C, Min Operating Temperature=-40°C, Package Quantity=1, Height=0.024inch, Lead Free="Lead Free", Length=0.079inch, Mount="Surface Mount", Number of Pins=2, Packaging="Tape and Reel", Termination=SMD/SMT, Tolerance=20ppm, Width=1.2mm

## Via types
v1: diameter 0.6, hole 0.3, Top Layer to Bottom Layer, 519 vias
v2: diameter 1, hole 0.5, Top Layer to Bottom Layer, 19 vias
v3: diameter 0.8, hole 0.4, Top Layer to Bottom Layer, 17 vias
v4: diameter 6, hole 3.2, Top Layer to Bottom Layer, 5 vias
v5: diameter 0.5, hole 0.3, Top Layer to Bottom Layer, 4 vias
v6: diameter 2, hole 1, Top Layer to Bottom Layer, 1 vias

## Nets (pads, with @x,y where several pads share a name; then routed paths per layer and width w, separated by ;. In a path a pad name is that pad's centre, name@x,y a point inside that pad or via, vN(x,y) a via of type N, cw(c..) or ccw(c..) an arc to the next point about the centre after c; other vN are vias at no path point)
3.3V: 3.3V.2 3.3V.4 "CAN2 TRAN.3" "CAN C.14" "CAN T.5" "LoRa Misc.4" "NRF Misc.4" "PWM DRIVER.28" ACC.3 ACC.7 BOOT.1 BPS.1 BUZZER.2 C3.2 C4.2 C104.2 C201.2 C202.2 C203.2 C204.2 C205.2 C209.2 C210.2 C302.2 C401.2 C402.2 C403.2 C404.2 C405.2 C407.2 C501.1 C502.1 C503.1 C601.2 C602.2 C603.2 C_N1.1 C_N2.1 C_N3.1 C_N4.1 C_N5.1 C_N6.1 C_N7.1 C_N8.1 D_L1.4 D_L1.5 D_L1.6 D_L2.4 D_L2.5 D_L2.6 DEMUX.16 FB2.2 FL_N1.8 FL_N2.8 FL_N3.8 FL_N4.8 FL_N5.8 FL_N6.8 FL_N7.8 FL_N8.8 GPS.2 GPS.3 GPS.17 IMU1.3 IMU1.28 IMU2.3 IMU2.11 MCU.5 MCU.16 MCU.21 MCU.42 MCU.43 MCU.56 MCU.70 MCU.94 MCU.108 MCU.122 MCU.135 MUX.16 R1_N1.1 R1_N2.1 R1_N3.1 R1_N4.1 R1_N5.1 R1_N6.1 R1_N7.1 R1_N8.1 R2.2 R2_N1.1 R2_N2.1 R2_N3.1 R2_N4.1 R2_N5.1 R2_N6.1 R2_N7.1 R2_N8.1 R3_N1.1 R3_N2.1 R3_N3.1 R3_N4.1 R3_N5.1 R3_N6.1 R3_N7.1 R3_N8.1 R102.2 R104.1 R303.1 R304.2 R402.1 R403.1 R405.1 R406.2 R407.1 R408.1 R501.1 R603.1 R604.1 RH_J1.1 RH_J2.1 RH_J3.1 RH_J4.1 RH_J5.1 RH_J6.1 RH_J7.1 RH_J8.1 RH_J9.1 RH_J10.1 RH_J11.1 RH_J12.1 RH_J13.1 RH_J14.1 SD.4 | length 392
  Top Layer w0.2: v1(41.25,52.812) SD.4@43.413,52.812 ; v1(57.5,19.25) 57.5,20.356 cw(c59.71,20.356) BOOT.1@58.147,21.919 ; MCU.5@68.836,47.486 69.481,46.841 ccw(c69.7,47.06) 69.7,46.75 69.738,46.75 cw(c69.738,46.238) 70.1,46.6 cw(c69.738,46.238) 70.25,46.238 v1(70.25,46) ; MCU.70@69.543,22.03 70.754,23.241 cw(c71.5,22.495) v1(71.5,23.55) ; IMU1.3@101.8,37.363 101.8,37.95 cw(c102.05,37.95) 102.05,38.2 104.3,38.2 cw(c104.3,37.5) 105,37.5 v1(105,36.8) IMU1.28@103.113,36.8 ; ACC.3@108.387,34.9 107.4,34.9 ccw(c107.4,34) 106.5,34 ccw(c107.25,34) 107.25,33.25 110,33.25 ccw(c110,34.25) v1(111,34.25) ccw(c110.638,33.888) 110.638,34.4 ACC.7@109.912,34.4 ; R102.2@115.6,19.05 116.3,19.05 ccw(c116.3,20) 117.25,20 v2(117.25,23.5) ; IMU2.3@117.863,35.5 119.5,35.5 v1(119.5,35.65)
  Top Layer w0.25: v1(21,34.1) C401.2@30,34.1 31.409,34.1 cw(c31.409,33.759) 31.65,34 ccw(c31.891,34.241) 31.891,33.9 GPS.17@33.4,33.9 ; v1(30.75,18.25) 35.36,18.25 ccw(c35.36,20.79) 37.9,20.79 C402.2@37.9,22.1 ; GPS.2@38.1,25.4 ccw(c38.1,25.2) 37.9,25.2 C402.2@37.9,22.1 ; GPS.3@40,25.4 40,24.154 ccw(c40.854,24.154) 40.25,23.55 cw(c39.284,22.584) 40.65,22.584 C209.2@40.65,22.05 37.95,22.05 cw(c37.95,22.1) C402.2@37.9,22.1 ; MCU.42@59.643,31.929 61.158,33.444 cw(c62.5,32.102) v1(62.5,34) 62.5,33.75 cw(c61.75,33.75) 61.75,33 ccw(c61.75,32.206) 61.188,32.767 MCU.43@59.997,31.576 ; 61.35,43.8 ccw(c61.693,43.8) 61.45,43.557 MCU.21@63.179,41.829 63.614,41.394 ccw(c65.41,43.19) 65.41,40.65 66.696,40.65 ccw(c66.696,41.504) 67.3,40.9 ccw(c66.334,41.866) 67.7,41.866 v1(67.7,41.9) 67.197,42.403 ccw(c66.6,41.805) 66.6,42.65 cw(c66.6,44.356) 65.394,43.15 MCU.16@64.947,43.597 ; MCU.56@64.593,26.98 66.243,28.63 ccw(c65.623,29.25) v1(66.5,29.25) ; 66.225,58.375 67.94,58.375 ccw(c67.94,58.46) v3(68,58.4) ; D_L2.6@70.25,55.764 cw(c70.25,58.211) 68.52,56.48 67.777,57.223 cw(c68.204,57.65) 67.6,57.65 cw(c68.445,57.65) 67.847,58.247 v3(68,58.4) ; D_L2.5@70.25,56.564 cw(c70.25,58.407) 68.946,57.104 68.247,57.803 cw(c68.845,58.4) v3(68,58.4) ; D_L2.4@70.25,57.364 69.958,57.656 ccw(c68.162,55.86) 68.162,58.4 v3(68,58.4) ; D_L1.6@70.65,12.85 70.299,12.85 ccw(c70.299,10.801) v3(68.85,12.25) ; D_L1.5@70.65,13.65 69.25,13.65 ccw(c69.25,13) 68.6,13 68.6,12.854 ccw(c69.454,12.854) v3(68.85,12.25) ; D_L1.4@70.65,14.45 69.3,14.45 ccw(c69.3,13) 67.85,13 ccw(c68.6,13) 68.6,12.25 v3(68.85,12.25) ; v1(75.25,42.25) cw(c75.25,43) 74.5,43 74.5,43.5 cw(c75.605,43.5) 74.824,44.281 MCU.135@76.26,45.718 ; v1(75.75,13.065) 78.136,13.065 ; v1(79,40) ccw(c79,41.774) 80.254,40.52 MCU.122@80.857,41.122 ; v1(79.25,30.5) ccw(c80.456,30.5) 79.603,29.647 MCU.94@80.503,28.748 ; v1(81.19,55.9) FL_N1.8@81.19,57.9 ; v1(82.75,34.85) 84.062,34.85 cw(c84.062,34.276) 84.468,34.682 MCU.108@85.453,33.697 ; v1(86.59,55.9) FL_N2.8@86.59,57.9 ; v1(89,12.5) cw(c89.362,12.138) 89.362,12.65 90.55,12.65 ; MUX.16@89.35,48.075 89.523,48.075 ccw(c89.523,50.615) 91.319,48.819 v1(91.5,49) ; v1(91.99,55.9) FL_N3.8@91.99,57.9 ; v1(97.39,55.9) FL_N4.8@97.39,57.9 ; 99.8,12.75 100.338,12.75 cw(c100.338,12.238) 100.7,12.6 101.159,12.141 ccw(c101.5,12.483) v1(101.5,12) ; v1(102.79,55.9) FL_N5.8@102.79,57.9 ; v1(105.875,47.425) cw(c106.5,47.425) 106.5,48.05 BPS.1@107.075,48.05 ; v1(108.19,55.9) FL_N6.8@108.19,57.9 ; v1(113.5,35) ccw(c114.707,36.207) 114.707,34.5 IMU2.11@115.337,34.5 ; v1(113.59,55.9) FL_N7.8@113.59,57.9 ; v1(118.99,55.9) FL_N8.8@118.99,57.9